# Altium PCB Board.PcbDoc (part 6 of 15) (continued)
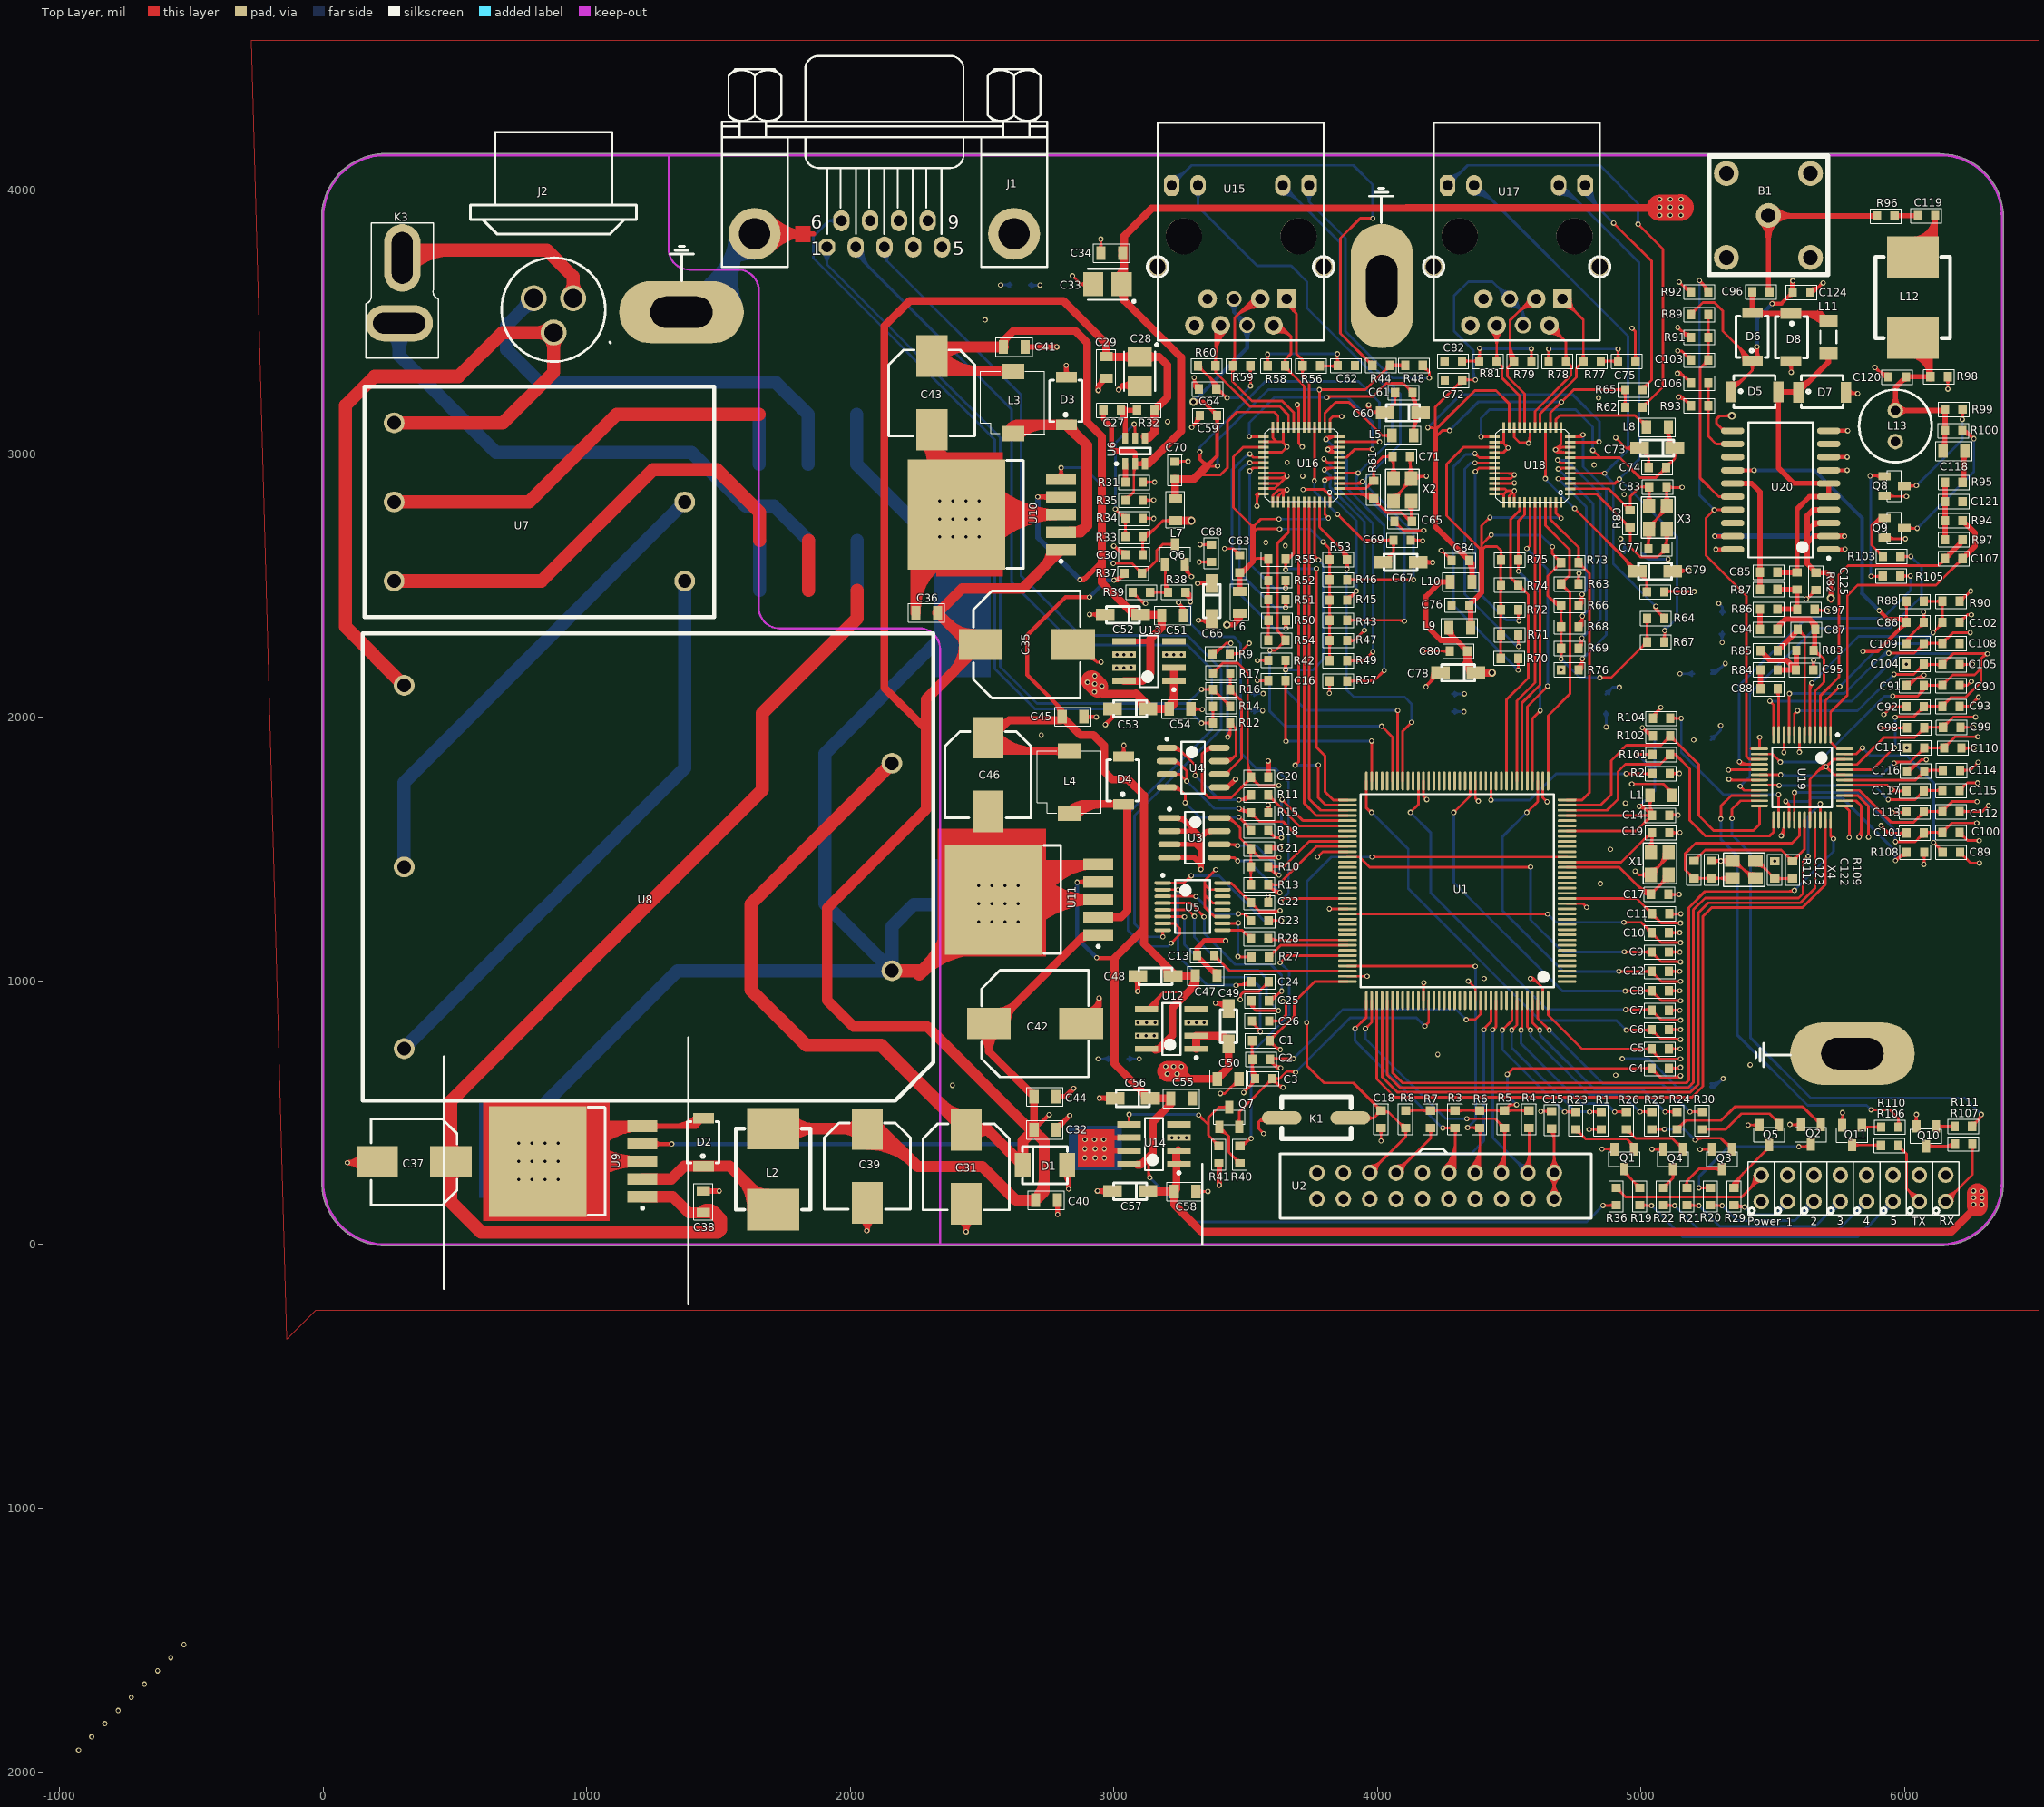
[diagram p0: Top Layer view]
## Nets (pads, with @x,y where several pads share a name; then routed paths per layer and width w, separated by ;. In a path a pad name is that pad's centre, name@x,y a point inside that pad or via, vN(x,y) a via of type N, cw(c..) or ccw(c..) an arc to the next point about the centre after c; other vN are vias at no path point) (continued)
; C91.1@6006.6,2133.17 ccw(c6006.6,2189.13) 6046.17,2149.56 cw(c6006.6,2189.13) C91.1@6006.6,2133.17 ; C116.1@6008.6,1799.17 ccw(c6008.6,1832.28) 6032.01,1808.86 cw(c6008.6,1832.28) C116.1@6008.6,1799.17 ; C116.1@6008.6,1809.17 ccw(c6008.6,1866.42) 6049.09,1825.94 cw(c6008.6,1866.42) C116.1@6008.6,1809.17 ; 6065.16,2151.17 ccw(c6065.16,2164.77) 6076.92,2157.93 cw(c6065.16,2164.77) 6065.16,2151.17
  Top Layer w15: C45.1@2887.6,2001.45 v1(2933.6,2001.45) ; v1(2967.6,1972.45) 2994.68,1999.53 ; C53.1@2994.68,2032.45 2994.68,1999.53 ; v1(5283.6,2637.45) U20.1@5347.43,2637.45 ; U20.1@5711.6,2637.45 5772.6,2637.45 v1(5773.6,2638.45) ; U20.1@5711.6,2937.45 v1(5781.6,2937.45) ; U20.1@5711.6,2987.45 v1(5781.6,2987.45) ; U20.1@5711.6,3087.45 v1(5783.6,3087.45) ; 2994.68,1999.53 cw(c3020.23,1999.53) 3004.56,2019.71 ccw(c3020.23,1999.53) 2994.68,1999.53 ; 2994.68,1999.53 ccw(c2969.13,1999.53) 2984.79,2019.71 cw(c2969.13,1999.53) 2994.68,1999.53 ; C45.1@2893.82,1995.22 cw(c2908.85,1980.2) 2908.85,2001.45 ccw(c2908.85,1980.2) C45.1@2893.82,1995.22 ; C45.1@2893.82,2009.67 ccw(c2913.68,2029.53) 2913.68,2001.45 cw(c2913.68,2029.53) C45.1@2893.82,2009.67
  Top Layer w20: C37.1@205.22,313.45 202.22,310.45 v1(92.6,310.45) ; U9.5@1211.6,449.17 1414.31,449.17 ; D2.1@1416.11,472.72 cw(c1401.5,461.98) 1414.32,449.17 ; C38.1@1442.6,203.45 v1(1502.6,203.45) ; D2.1@1443.6,478.45 1414.31,449.17 ; J1.0@1637.29,3834.45 1860.6,3834.45 ; J1.0@1671.47,3800.27 cw(c1753.98,3717.76) 1753.98,3834.45 cw(c1753.98,3951.14) J1.0@1671.47,3868.63 ; J1.0@1685.61,3786.13 cw(c1802.26,3669.48) 1802.26,3834.45 cw(c1802.26,3999.42) J1.0@1685.61,3882.77 ; J1.0@1699.75,3771.99 cw(c1850.54,3621.19) 1850.54,3834.45 cw(c1850.54,4047.7) J1.0@1699.75,3896.91 ; v1(2062.6,52.45) v1@2064.6,54.45 ; C39.1@2064.6,158.07 v1@2064.6,54.45 ; C31.1@2439.6,155.07 v1(2439.6,48.45) ; C41.1@2663.6,3405.45 v1(2783.6,3405.45) ; C32.1@2779.6,435.45 2832.6,488.45 v1(2832.6,489.45) ; C44.1@2779.6,561.45 2816.6,561.45 v1(2847.6,592.45) ; C40.1@2785.6,168.45 2786.6,167.45 v1(2786.6,114.45) ; D3.1@2819.6,3291.45 v1(2819.6,3335.45) ; D1.1@2822.6,301.45 2828.6,295.45 v1(2828.6,211.45) ; C42.1@2876.04,838.45 2943.6,906.01 ; v1(2937.6,203.45) 2993.68,203.45 C57.1@2994.68,202.45 ; 2943.98,3259.83 ccw(c2917.37,3286.45) C29.1@2955.01,3286.45 ; v1(2944.6,555.45) 3003.68,555.45 C56.1@3004.68,554.45 ; C29.1@2970.6,3286.45 2940.6,3256.45 v1(2940.6,3240.45) ; v1(3017.6,3243.45) 3033.33,3259.18 ; U14.7@3057.62,355.45 2971.6,355.45 v1(2963.6,363.45) ; U14.6@3057.62,405.45 2921.6,405.45 2912.6,396.45 cw(c2920.93,388.12) v1(2926.6,398.45) ; v1(3090.6,960.45) 3090.6,1017.37 C48.1@3090.68,1017.45 ; C28.1@3097.6,3259.18 3033.33,3259.18 ; U3.4@3210.6,1468.45 3304.6,1468.45 3331.6,1441.45 ; U3.3@3210.6,1518.45 3308.6,1518.45 3331.6,1495.45 ; U3.2@3210.6,1568.45 3308.6,1568.45 ; U3.1@3210.6,1618.45 3258.6,1618.45 3308.6,1568.45 ; 3322.1,1554.95 3308.6,1568.45 ; C47.2@3391.28,1019.45 3315.6,1095.13 C13.1@3315.6,1096.45 3315.6,1124.45 3343.6,1152.45 v1(3423.6,1152.45) ; R41.1@3398.6,308.45 3399.6,307.45 v1(3399.6,225.45) ; U3.7@3399.57,1568.45 3354.6,1568.45 3331.6,1545.45 ; U4.5@3400.01,1734.45 3430.6,1734.45 v1(3461.6,1765.45) ; C49.1@3435.6,895.37 3414.52,916.45 v1(3385.6,916.45) ; C22.1@3585.6,1297.62 v1(3585.6,1322.45) ; C21.1@3585.6,1501.78 3589.26,1505.45 v1(3630.6,1505.45) ; R15.1@3585.6,1637.9 v1(3585.6,1667.45) ; v1(3585.6,1834.45) 3585.75,1834.3 C20.2@3585.75,1773.45 ; v1(92.6,310.45) cw(c92.6,242.72) C37.1@146.5,283.74 ; v1(92.6,310.45) ccw(c92.6,370.38) C37.1@143.71,339.07 ; v1(92.6,310.45) cw(c92.6,242.72) C37.1@146.5,283.74 ; v1(92.6,310.45) ccw(c92.6,370.38) C37.1@143.71,339.07 ; v1(92.6,310.45) ccw(c92.6,370.38) C37.1@143.71,339.07 ; v1(92.6,310.45) cw(c92.6,242.72) C37.1@146.5,283.74 ; U9.5@1255.27,440.93 cw(c1275.17,421.03) 1275.17,449.17 ; U9.5@1255.27,440.93 cw(c1275.17,421.03) 1275.17,449.17 ; U9.5@1255.27,440.93 cw(c1275.17,421.03) 1275.17,449.17 ; U9.5@1255.27,457.41 ccw(c1275.17,477.3) 1275.17,449.17 ; U9.5@1255.27,457.41 ccw(c1275.17,477.3) 1275.17,449.17 ; U9.5@1255.27,457.41 ccw(c1275.17,477.3) 1275.17,449.17 ; 1329.84,449.17 ccw(c1329.84,572.53) D2.1@1417.06,485.3 ; 1329.84,449.17 ccw(c1329.84,572.53) D2.1@1417.06,485.3 ; 1329.84,449.17 ccw(c1329.84,572.53) D2.1@1417.06,485.3 ; 1378.12,449.17 ccw(c1378.12,524.24) D2.1@1431.21,471.15 ; 1378.12,449.17 ccw(c1378.12,524.24) D2.1@1431.21,471.15 ; 1378.12,449.17 ccw(c1378.12,524.24) D2.1@1431.21,471.15 ; C38.1@1455.93,197.99 cw(c1469.1,184.82) 1469.1,203.45 ; C38.1@1455.93,197.99 cw(c1469.1,184.82) 1469.1,203.45 ; C38.1@1455.93,197.99 cw(c1469.1,184.82) 1469.1,203.45 ; C38.1@1455.93,208.91 ccw(c1469.1,222.08) 1469.1,203.45 ; C38.1@1455.93,208.91 ccw(c1469.1,222.08) 1469.1,203.45 ; C38.1@1455.93,208.91 ccw(c1469.1,222.08) 1469.1,203.45 ; C39.1@2040.52,95.64 cw(c2017.32,54.45) v1@2064.6,54.45 ; C39.1@2040.52,95.64 cw(c2017.32,54.45) v1@2064.6,54.45 ; C39.1@2040.52,95.64 cw(c2017.32,54.45) v1@2064.6,54.45 ; v1@2064.6,54.45 cw(c2111.88,54.45) C39.1@2088.67,95.64 ; v1@2064.6,54.45 cw(c2111.88,54.45) C39.1@2088.67,95.64 ; v1@2064.6,54.45 cw(c2111.88,54.45) C39.1@2088.67,95.64 ; C31.1@2414.24,93.39 cw(c2387.1,48.45) v1(2439.6,48.45) ; C31.1@2414.24,93.39 cw(c2387.1,48.45) v1(2439.6,48.45) ; C31.1@2414.24,93.39 cw(c2387.1,48.45) v1(2439.6,48.45) ; v1(2439.6,48.45) cw(c2492.1,48.45) C31.1@2464.96,93.39 ; v1(2439.6,48.45) cw(c2492.1,48.45) C31.1@2464.96,93.39 ; v1(2439.6,48.45) cw(c2492.1,48.45) C31.1@2464.96,93.39 ; C41.1@2669.05,3399.99 cw(c2682.23,3386.82) 2682.23,3405.45 ; C41.1@2669.05,3399.99 cw(c2682.23,3386.82) 2682.23,3405.45 ; C41.1@2669.05,3399.99 cw(c2682.23,3386.82) 2682.23,3405.45 ; C41.1@2669.05,3410.91 ccw(c2682.23,3424.08) 2682.23,3405.45 ; C41.1@2669.05,3410.91 ccw(c2682.23,3424.08) 2682.23,3405.45 ; C41.1@2669.05,3410.91 ccw(c2682.23,3424.08) 2682.23,3405.45 ; C32.1@2779.6,451.04 ccw(c2779.6,488.68) 2806.21,462.06 ; C32.1@2779.6,451.04 ccw(c2779.6,488.68) 2806.21,462.06 ; C32.1@2779.6,451.04 ccw(c2779.6,488.68) 2806.21,462.06 ; C40.1@2780.14,155.12 cw(c2764.55,139.53) 2786.6,139.53 ; C40.1@2780.14,155.12 cw(c2764.55,139.53) 2786.6,139.53 ; C40.1@2780.14,155.12 cw(c2764.55,139.53) 2786.6,139.53 ; C44.1@2785.05,555.99 cw(c2798.23,542.82) 2798.23,561.45 ; C44.1@2785.05,555.99 cw(c2798.23,542.82) 2798.23,561.45 ; C44.1@2785.05,555.99 cw(c2798.23,542.82) 2798.23,561.45 ; C44.1@2785.05,566.91 ccw(c2798.23,580.08) 2798.23,561.45 ; C44.1@2785.05,566.91 ccw(c2798.23,580.08) 2798.23,561.45 ; C44.1@2785.05,566.91 ccw(c2798.23,580.08) 2798.23,561.45 ; D1.1@2808.51,272.01 cw(c2760.02,223.52) 2828.6,223.52 ; D1.1@2808.51,272.01 cw(c2760.02,223.52) 2828.6,223.52 ; D1.1@2808.51,272.01 cw(c2760.02,223.52) 2828.6,223.52 ; D3.1@2812.75,3298.3 ccw(c2796.22,3314.83) 2819.6,3314.83 ; D3.1@2812.75,3298.3 ccw(c2796.22,3314.83) 2819.6,3314.83 ; D3.1@2812.75,3298.3 ccw(c2796.22,3314.83) 2819.6,3314.83 ; 2819.6,3314.83 ccw(c2842.98,3314.83) D3.1@2826.45,3298.3 ; 2819.6,3314.83 ccw(c2842.98,3314.83) D3.1@2826.45,3298.3 ; 2819.6,3314.83 ccw(c2842.98,3314.83) D3.1@2826.45,3298.3 ; 2828.6,252.49 cw(c2856.21,252.49) D1.1@2836.68,272.01 ; 2828.6,252.49 cw(c2856.21,252.49) D1.1@2836.68,272.01 ; 2828.6,252.49 cw(c2856.21,252.49) D1.1@2836.68,272.01 ; C42.1@2898.1,887.48 ccw(c2896.61,934.45) v1(2943.6,934.45) ; C42.1@2898.1,887.48 ccw(c2896.61,934.45) v1(2943.6,934.45) ; C42.1@2898.1,887.48 ccw(c2896.61,934.45) v1(2943.6,934.45) ; C42.1@2898.74,867.49 ccw(c2897.26,913.8) 2943.6,913.8 ; C42.1@2898.74,867.49 ccw(c2897.26,913.8) 2943.6,913.8 ; C42.1@2898.74,867.49 ccw(c2897.26,913.8) 2943.6,913.8 ; C42.1@2899.66,887.5 ccw(c2899.66,948.9) 2943.08,905.49 ; C42.1@2899.66,887.5 ccw(c2899.66,948.9) 2943.08,905.49 ; C42.1@2899.66,887.5 ccw(c2899.66,948.9) 2943.08,905.49 ; v1(2926.6,398.45) cw(c2943.5,381.55) 2943.5,405.45 ; v1(2926.6,398.45) ccw(c2925.93,371.12) 2906.6,390.45 cw(c2925.93,371.12) v1(2926.6,398.45) ; v1(2926.6,398.45) cw(c2943.5,381.55) 2943.5,405.45 ; v1(2926.6,398.45) cw(c2943.5,381.55) 2943.5,405.45 ; C42.1@2940.01,866.35 cw(c2965.58,884.03) 2943.6,906.01 ; C42.1@2940.01,866.35 cw(c2965.58,884.03) 2943.6,906.01 ; C42.1@2940.01,866.35 cw(c2965.58,884.03) 2943.6,906.01 ; v1(2940.6,3240.45) cw(c2979.23,3240.45) 2951.91,3267.76 ; v1(2940.6,3240.45) cw(c2979.23,3240.45) 2951.91,3267.76 ; v1(2940.6,3240.45) cw(c2979.23,3240.45) 2951.91,3267.76 ; 2943.6,906.01 v1(2943.6,934.45) ; 2944.7,405.45 cw(c2944.7,381.55) v1(2961.6,398.45) ; 2944.7,405.45 cw(c2944.7,381.55) v1(2961.6,398.45) ; 2944.7,405.45 cw(c2944.7,381.55) v1(2961.6,398.45) ; v1@2947.57,203.45 cw(c2947.57,167.15) C57.1@2973.23,192.82 ; v1@2947.57,203.45 cw(c2947.57,167.15) C57.1@2973.23,192.82 ; v1@2947.57,203.45 cw(c2947.57,167.15) C57.1@2973.23,192.82 ; 2952.39,203.45 ccw(c2952.39,232.92) C57.1@2973.23,212.08 ; 2952.39,203.45 ccw(c2952.39,232.92) C57.1@2973.23,212.08 ; 2952.39,203.45 ccw(c2952.39,232.92) C57.1@2973.23,212.08 ; 2957.57,555.45 cw(c2957.57,519.15) C56.1@2983.23,544.82 ; 2957.57,555.45 cw(c2957.57,519.15) C56.1@2983.23,544.82 ; 2957.57,555.45 cw(c2957.57,519.15) C56.1@2983.23,544.82 ; v1(2961.6,398.45) cw(c2978.5,381.55) 2978.5,405.45 ; v1(2961.6,398.45) cw(c2978.5,381.55) 2978.5,405.45 ; v1(2961.6,398.45) cw(c2978.5,381.55) 2978.5,405.45 ; 2962.39,555.45 ccw(c2962.39,584.92) C56.1@2983.23,564.08 ; 2962.39,555.45 ccw(c2962.39,584.92) C56.1@2983.23,564.08 ; 2962.39,555.45 ccw(c2962.39,584.92) C56.1@2983.23,564.08 ; v1(2963.6,363.45) ccw(c2982.91,382.76) 2982.91,355.45 ; v1(2963.6,363.45) ccw(c2982.91,382.76) 2982.91,355.45 ; v1(2963.6,363.45) ccw(c2982.91,382.76) 2982.91,355.45 ; 3033.33,3259.18 cw(c3033.33,3215.39) C28.1@3068.14,3241.96 ; 3033.33,3259.18 ccw(c3033.33,3302.97) C28.1@3068.14,3276.4 ; 3033.33,3259.18 cw(c3033.33,3215.39) C28.1@3068.14,3241.96 ; 3033.33,3259.18 ccw(c3033.33,3302.97) C28.1@3068.14,3276.4 ; 3033.33,3259.18 ccw(c3033.33,3302.97) C28.1@3068.14,3276.4 ; 3033.33,3259.18 cw(c3033.33,3215.39) C28.1@3068.14,3241.96 ; C48.1@3081.04,1007.82 cw(c3057.98,984.75) 3090.6,984.75 ; C48.1@3081.04,1007.82 cw(c3057.98,984.75) 3090.6,984.75 ; C48.1@3081.04,1007.82 cw(c3057.98,984.75) 3090.6,984.75 ; 3090.6,984.37 cw(c3123.75,984.37) C48.1@3100.31,1007.82 ; 3090.6,984.37 cw(c3123.75,984.37) C48.1@3100.31,1007.82 ; 3090.6,984.37 cw(c3123.75,984.37) C48.1@3100.31,1007.82 ; U3.1@3242.09,1616.64 cw(c3242.09,1572.42) 3273.36,1603.69 ; U3.1@3242.09,1616.64 cw(c3242.09,1572.42) 3273.36,1603.69 ; U3.1@3242.09,1616.64 cw(c3242.09,1572.42) 3273.36,1603.69 ; 3308.6,1568.45 3331.6,1545.45 ; 3315.46,1457.59 cw(c3281.31,1423.45) v1(3329.6,1423.45) ; 3315.46,1457.59 cw(c3281.31,1423.45) v1(3329.6,1423.45) ; 3315.46,1457.59 cw(c3281.31,1423.45) v1(3329.6,1423.45) ; v1(3329.6,1423.45) 3331.6,1425.45 3331.6,1441.45 ; 3331.6,1441.45 3331.6,1495.45 ; 3331.6,1495.45 3331.6,1545.45 ; 3341.97,1555.83 cw(c3368.08,1529.72) U3.7@3368.08,1566.64 ; 3341.97,1555.83 cw(c3368.08,1529.72) U3.7@3368.08,1566.64 ; 3341.97,1555.83 cw(c3368.08,1529.72) U3.7@3368.08,1566.64 ; 3364.66,1046.06 ccw(c3391.28,1072.68) C47.2@3391.28,1035.04 ; 3364.66,1046.06 ccw(c3391.28,1072.68) C47.2@3391.28,1035.04 ; 3364.66,1046.06 ccw(c3391.28,1072.68) C47.2@3391.28,1035.04 ; v1(3385.6,916.45) cw(c3385.6,864.02) C49.1@3425.29,898.28 ; v1(3385.6,916.45) cw(c3385.6,864.02) C49.1@3425.29,898.28 ; v1(3385.6,916.45) cw(c3385.6,864.02) C49.1@3425.29,898.28 ; 3399.6,292.23 cw(c3416.78,292.23) R41.1@3404.63,304.38 ; 3399.6,292.23 cw(c3416.78,292.23) R41.1@3404.63,304.38 ; 3399.6,292.23 cw(c3416.78,292.23) R41.1@3404.63,304.38 ; C21.1@3589.66,1499.69 cw(c3603.57,1485.78) 3603.57,1505.45 ; C21.1@3589.66,1499.69 cw(c3603.57,1485.78) 3603.57,1505.45 ; C21.1@3589.66,1499.69 cw(c3603.57,1485.78) 3603.57,1505.45 ; 2944.54,3260.39 ccw(c2919.24,3285.68) 2955.01,3286.31 cw(c2919.24,3285.68) 2944.54,3260.39 ; U3.1@3242.56,1616.7 cw(c3249.08,1592.43) 3266.85,1610.2 ccw(c3249.08,1592.43) U3.1@3242.56,1616.7 ; 3347.86,1561.71 cw(c3361.92,1547.65) 3367.56,1566.71 ccw(c3361.92,1547.65) 3347.86,1561.71
  Top Layer w30: U11.6@2543.9,1308.31 U11.6@2677.76,1442.17
  Top Layer w35: U11.6@2543.9,1308.31 U11.3@2940.6,1308.31 ; U11.6@2677.76,1442.17 U11.5@2940.6,1442.17 ; U11.6@2531.3,1298.25 cw(c2555.57,1273.98) U11.6@2555.57,1308.31 ; U11.6@2531.3,1298.25 cw(c2555.57,1273.98) U11.6@2555.57,1308.31 ; U11.6@2531.3,1298.25 cw(c2555.57,1273.98) U11.6@2555.57,1308.31 ; U11.6@2567.63,1308.31 cw(c2567.63,1273.98) U11.6@2591.9,1298.25 ; U11.6@2567.63,1308.31 cw(c2567.63,1273.98) U11.6@2591.9,1298.25 ; U11.6@2567.63,1308.31 cw(c2567.63,1273.98) U11.6@2591.9,1298.25 ; U11.6@2569.74,1323.41 cw(c2739.94,1260.83) 2739.94,1442.17 ; U11.6@2569.74,1323.41 cw(c2739.94,1260.83) 2739.94,1442.17 ; U11.6@2569.74,1323.41 cw(c2739.94,1260.83) 2739.94,1442.17 ; U11.6@2581.3,1298.25 cw(c2605.57,1273.98) U11.6@2605.57,1308.31 ; U11.6@2581.3,1298.25 cw(c2605.57,1273.98) U11.6@2605.57,1308.31 ; U11.6@2581.3,1298.25 cw(c2605.57,1273.98) U11.6@2605.57,1308.31 ; U11.6@2602.59,1311.33 cw(c2790.1,1242.38) 2790.1,1442.17 ; U11.6@2602.59,1311.33 cw(c2790.1,1242.38) 2790.1,1442.17 ; U11.6@2602.59,1311.33 cw(c2790.1,1242.38) 2790.1,1442.17 ; U11.6@2613.82,1240.3 cw(c2774.84,1083.68) 2774.84,1308.31 ; U11.6@2613.82,1240.3 cw(c2774.84,1083.68) 2774.84,1308.31 ; U11.6@2613.82,1240.3 cw(c2774.84,1083.68) 2774.84,1308.31 ; U11.6@2613.82,1376.32 ccw(c2774.84,1532.93) 2774.84,1308.31 ; U11.6@2613.82,1376.32 ccw(c2774.84,1532.93) 2774.84,1308.31 ; U11.6@2613.82,1376.32 ccw(c2774.84,1532.93) 2774.84,1308.31 ; U11.6@2617.63,1308.31 cw(c2617.63,1273.98) U11.6@2641.9,1298.25 ; U11.6@2617.63,1308.31 cw(c2617.63,1273.98) U11.6@2641.9,1298.25 ; U11.6@2617.63,1308.31 cw(c2617.63,1273.98) U11.6@2641.9,1298.25 ; U11.6@2631.3,1298.25 cw(c2655.57,1273.98) U11.6@2655.57,1308.31 ; U11.6@2631.3,1298.25 cw(c2655.57,1273.98) U11.6@2655.57,1308.31 ; U11.6@2631.3,1298.25 cw(c2655.57,1273.98) U11.6@2655.57,1308.31 ; U11.6@2635.44,1299.25 cw(c2840.27,1223.94) 2840.27,1442.17 ; U11.6@2635.44,1299.25 cw(c2840.27,1223.94) 2840.27,1442.17 ; U11.6@2635.44,1299.25 cw(c2840.27,1223.94) 2840.27,1442.17 ; U11.6@2638.91,1215.9 cw(c2857.71,1003.08) 2857.71,1308.31 ; U11.6@2638.91,1215.9 cw(c2857.71,1003.08) 2857.71,1308.31 ; U11.6@2638.91,1215.9 cw(c2857.71,1003.08) 2857.71,1308.31 ; U11.6@2638.91,1400.72 ccw(c2857.71,1613.54) 2857.71,1308.31 ; U11.6@2638.91,1400.72 ccw(c2857.71,1613.54) 2857.71,1308.31 ; U11.6@2638.91,1400.72 ccw(c2857.71,1613.54) 2857.71,1308.31 ; U11.6@2664,1191.49 cw(c2940.58,922.47) U11.3@2940.6,1308.31 ; U11.6@2664,1191.49 cw(c2940.58,922.47) U11.3@2940.6,1308.31 ; U11.6@2664,1191.49 cw(c2940.58,922.47) U11.3@2940.6,1308.31 ; U11.6@2664,1425.12 ccw(c2940.58,1694.14) U11.3@2940.6,1308.31 ; U11.6@2664,1425.12 ccw(c2940.58,1694.14) U11.3@2940.6,1308.31 ; U11.6@2664,1425.12 ccw(c2940.58,1694.14) U11.3@2940.6,1308.31 ; U11.6@2668.29,1287.17 cw(c2890.43,1205.49) U11.5@2890.43,1442.17 ; U11.6@2668.29,1287.17 cw(c2890.43,1205.49) U11.5@2890.43,1442.17 ; U11.6@2668.29,1287.17 cw(c2890.43,1205.49) U11.5@2890.43,1442.17 ; U11.6@2701.14,1275.09 cw(c2940.59,1187.05) U11.5@2940.6,1442.17 ; U11.6@2701.14,1275.09 cw(c2940.59,1187.05) U11.5@2940.6,1442.17 ; U11.6@2701.14,1275.09 cw(c2940.59,1187.05) U11.5@2940.6,1442.17
  Top Layer w40: U9.6@841.97,325.94 ccw(c840.63,289.57) U9.6@814.9,315.31 ; C36.1@2248.6,2396.45 2248.6,2615.01 U10.6@2402.9,2769.31 ; C43.1@2293.96,3035.45 ccw(c2451.09,3077.55) U10.6@2423.84,2917.19 ; U10.6@2294.61,2856.43 ccw(c2159.46,2934.46) U10.6@2310.2,2974.85 ; U10.6@2310.1,2975.22 ccw(c2439.6,3009.92) U10.6@2417.14,2877.75 ; U10.6@2334.41,2675.37 ccw(c2338.67,2684.59) U10.6@2342.18,2675.06 ; U10.6@2345.64,2676.44 ccw(c2336.65,2684.32) U10.6@2348.58,2685.11 ; U10.6@2378.6,2821.45 ccw(c2445.82,2821.45) U10.6@2398.29,2773.92 ; U10.6@2381.06,2692.04 cw(c2388.31,2682.41) U10.6@2389.99,2694.35 ; U10.6@2479.2,2814.95 ccw(c2488.39,2825.22) U10.6@2489.15,2811.46 ; U10.6@2479.48,2817.35 ccw(c2489.45,2821.83) U10.6@2485.57,2811.61 ; U9.6@791.29,305.95 ccw(c792.28,337.92) U9.6@814.9,315.31 ; U9.6@791.29,305.95 ccw(c792.28,337.92) U9.6@814.9,315.31 ; U9.6@791.29,305.95 ccw(c792.28,337.92) U9.6@814.9,315.31 ; U9.6@791.6,305.95 ccw(c791.6,339.6) U9.6@815.4,315.81 ; U9.6@791.6,305.95 ccw(c791.6,339.6) U9.6@815.4,315.81 ; U9.6@791.6,305.95 ccw(c791.6,339.6) U9.6@815.4,315.81 ; U9.6@814.9,315.31 948.76,449.17 U9.5@1211.6,449.17 ; U9.6@814.9,315.31 U9.3@1211.6,315.31 ; U9.6@819.61,338.13 cw(c980.19,277.53) U9.6@980.19,449.17 ; U9.6@819.61,338.13 cw(c980.19,277.53) U9.6@980.19,449.17 ; U9.6@819.61,338.13 cw(c980.19,277.53) U9.6@980.19,449.17 ; U9.6@831.6,315.95 cw(c870.37,315.95) U9.6@842.95,343.36 ; U9.6@831.6,315.95 cw(c870.37,315.95) U9.6@842.95,343.36 ; U9.6@831.6,315.95 cw(c870.37,315.95) U9.6@842.95,343.36 ; U9.6@857.04,324.01 cw(c1038.04,255.7) 1038.04,449.17 ; U9.6@857.04,324.01 cw(c1038.04,255.7) 1038.04,449.17 ; U9.6@857.04,324.01 cw(c1038.04,255.7) 1038.04,449.17 ; U9.6@875.22,255.36 cw(c1019.29,112.19) 1019.29,315.31 ; U9.6@875.22,255.36 cw(c1019.29,112.19) 1019.29,315.31 ; U9.6@875.22,255.36 cw(c1019.29,112.19) 1019.29,315.31 ; U9.6@875.22,375.25 ccw(c1019.29,518.42) 1019.29,315.31 ; U9.6@875.22,375.25 ccw(c1019.29,518.42) 1019.29,315.31 ; U9.6@875.22,375.25 ccw(c1019.29,518.42) 1019.29,315.31 ; U9.6@894.46,309.89 cw(c1095.89,233.87) 1095.89,449.17 ; U9.6@894.46,309.89 cw(c1095.89,233.87) 1095.89,449.17 ; U9.6@894.46,309.89 cw(c1095.89,233.87) 1095.89,449.17 ; U9.6@903.59,227.17 cw(c1115.43,16.65) 1115.43,315.31 ; U9.6@903.59,227.17 cw(c1115.43,16.65) 1115.43,315.31 ; U9.6@903.59,227.17 cw(c1115.43,16.65) 1115.43,315.31 ; U9.6@903.59,403.45 ccw(c1115.43,613.96) 1115.43,315.31 ; U9.6@903.59,403.45 ccw(c1115.43,613.96) 1115.43,315.31 ; U9.6@903.59,403.45 ccw(c1115.43,613.96) 1115.43,315.31 ; U9.6@931.88,295.76 cw(c1153.74,212.04) 1153.74,449.17 ; U9.6@931.88,295.76 cw(c1153.74,212.04) 1153.74,449.17 ; U9.6@931.88,295.76 cw(c1153.74,212.04) 1153.74,449.17 ; U9.6@931.96,198.97 cw(c1211.57,-78.88) U9.3@1211.6,315.31 ; U9.6@931.96,198.97 cw(c1211.57,-78.88) U9.3@1211.6,315.31 ; U9.6@931.96,198.97 cw(c1211.57,-78.88) U9.3@1211.6,315.31 ; U9.6@931.96,431.64 ccw(c1211.57,709.5) U9.3@1211.6,315.31 ; U9.6@931.96,431.64 ccw(c1211.57,709.5) U9.3@1211.6,315.31 ; U9.6@931.96,431.64 ccw(c1211.57,709.5) U9.3@1211.6,315.31 ; U9.6@969.31,281.64 cw(c1211.59,190.21) U9.5@1211.6,449.17 ; U9.6@969.31,281.64 cw(c1211.59,190.21) U9.5@1211.6,449.17 ; U9.6@969.31,281.64 cw(c1211.59,190.21) U9.5@1211.6,449.17 ; C36.1@2248.6,2411.52 cw(c2461.93,2411.52) U10.6@2424.71,2621.58 ; C36.1@2248.6,2411.52 cw(c2461.93,2411.52) U10.6@2424.71,2621.58 ; C36.1@2248.6,2411.52 cw(c2461.93,2411.52) U10.6@2424.71,2621.58 ; 2248.6,2459.23 cw(c2453.48,2459.23) U10.6@2417.73,2660.97 ; 2248.6,2459.23 cw(c2453.48,2459.23) U10.6@2417.73,2660.97 ; 2248.6,2459.23 cw(c2453.48,2459.23) U10.6@2417.73,2660.97 ; 2248.6,2506.94 cw(c2445.02,2506.94) U10.6@2410.75,2700.35 ; 2248.6,2506.94 cw(c2445.02,2506.94) U10.6@2410.75,2700.35 ; 2248.6,2506.94 cw(c2445.02,2506.94) U10.6@2410.75,2700.35 ; 2248.6,2554.65 cw(c2436.57,2554.65) U10.6@2403.78,2739.74 ; 2248.6,2554.65 cw(c2436.57,2554.65) U10.6@2403.78,2739.74 ; 2248.6,2554.65 cw(c2436.57,2554.65) U10.6@2403.78,2739.74 ; U10.6@2248.6,2602.36 cw(c2428.12,2602.36) U10.6@2396.8,2779.13 ; U10.6@2248.6,2602.36 cw(c2428.12,2602.36) U10.6@2396.8,2779.13 ; U10.6@2248.6,2602.36 cw(c2428.12,2602.36) U10.6@2396.8,2779.13 ; C43.1@2281.98,3043.77 cw(c2215.31,2977.1) U10.6@2309.6,2977.1 ; C43.1@2281.98,3043.77 cw(c2215.31,2977.1) U10.6@2309.6,2977.1 ; C43.1@2281.98,3043.77 cw(c2215.31,2977.1) U10.6@2309.6,2977.1 ; U10.6@2286.2,2910.61 ccw(c2229.7,2967.11) U10.6@2309.6,2967.11 ; U10.6@2286.2,2910.61 ccw(c2229.7,2967.11) U10.6@2309.6,2967.11 ; U10.6@2286.2,2910.61 ccw(c2229.7,2967.11) U10.6@2309.6,2967.11 ; U10.6@2309.6,2977.1 cw(c2403.89,2977.1) C43.1@2337.21,3043.77 ; U10.6@2309.6,2977.1 cw(c2403.89,2977.1) C43.1@2337.21,3043.77 ; U10.6@2309.6,2977.1 cw(c2403.89,2977.1) C43.1@2337.21,3043.77 ; 2309.6,2999.04 ccw(c2431.7,2999.04) U10.6@2414.72,2878.13 ; 2309.6,2999.04 ccw(c2431.7,2999.04) U10.6@2414.72,2878.13 ; 2309.6,2999.04 ccw(c2431.7,2999.04) U10.6@2414.72,2878.13 ; C43.1@2309.6,3045.05 ccw(c2438.16,3045.05) U10.6@2420.28,2917.74 ; C43.1@2309.6,3045.05 ccw(c2438.16,3045.05) U10.6@2420.28,2917.74 ; C43.1@2309.6,3045.05 ccw(c2438.16,3045.05) U10.6@2420.28,2917.74 ; C43.1@2309.6,3091.07 ccw(c2444.62,3091.06) U10.6@2425.85,2957.35 ; C43.1@2309.6,3091.07 ccw(c2444.62,3091.06) U10.6@2425.85,2957.35 ; C43.1@2309.6,3091.07 ccw(c2444.62,3091.06) U10.6@2425.85,2957.35 ; C43.1@2309.6,3091.07 2309.6,2862.61 U10.6@2402.9,2769.31 ; U10.6@2320.57,2686.98 cw(c2338.6,2668.96) U10.6@2338.6,2694.45 ; U10.6@2320.57,2686.98 cw(c2338.6,2668.96) U10.6@2338.6,2694.45 ; U10.6@2320.57,2686.98 cw(c2338.6,2668.96) U10.6@2338.6,2694.45 ; U10.6@2328.6,2684.45 cw(c2354.09,2684.45) U10.6@2336.06,2702.47 ; U10.6@2328.6,2684.45 cw(c2354.09,2684.45) U10.6@2336.06,2702.47 ; U10.6@2328.6,2684.45 cw(c2354.09,2684.45) U10.6@2336.06,2702.47 ; U10.6@2341.07,2831.14 ccw(c2388.6,2878.67) U10.6@2388.6,2811.45 ; U10.6@2341.07,2831.14 ccw(c2388.6,2878.67) U10.6@2388.6,2811.45 ; U10.6@2341.07,2831.14 ccw(c2388.6,2878.67) U10.6@2388.6,2811.45 ; U10.6@2381.17,2759.65 cw(c2402.9,2740.05) U10.6@2402.9,2769.31 ; U10.6@2381.17,2759.65 cw(c2402.9,2740.05) U10.6@2402.9,2769.31 ; U10.6@2381.17,2759.65 cw(c2402.9,2740.05) U10.6@2402.9,2769.31 ; U10.6@2381.53,2760.02 cw(c2403.95,2737.6) U10.6@2403.95,2769.31 ; U10.6@2381.53,2760.02 cw(c2403.95,2737.6) U10.6@2403.95,2769.31 ; U10.6@2381.53,2760.02 cw(c2403.95,2737.6) U10.6@2403.95,2769.31 ; U10.6@2383.99,2788.21 cw(c2348.73,2752.95) U10.6@2398.6,2752.95 ; U10.6@2383.99,2788.21 cw(c2348.73,2752.95) U10.6@2398.6,2752.95 ; U10.6@2383.99,2788.21 cw(c2348.73,2752.95) U10.6@2398.6,2752.95 ; U10.6@2402.9,2769.31 U10.3@2799.6,2769.31 ; U10.6@2423.25,2769.31 cw(c2423.25,2737.6) U10.6@2445.67,2760.02 ; U10.6@2423.25,2769.31 cw(c2423.25,2737.6) U10.6@2445.67,2760.02 ; U10.6@2423.25,2769.31 cw(c2423.25,2737.6) U10.6@2445.67,2760.02 ; U10.6@2431.53,2760.02 cw(c2453.95,2737.6) U10.6@2453.95,2769.31 ; U10.6@2431.53,2760.02 cw(c2453.95,2737.6) U10.6@2453.95,2769.31 ; U10.6@2431.53,2760.02 cw(c2453.95,2737.6) U10.6@2453.95,2769.31 ; U10.6@2463.22,2709.36 cw(c2607.29,2566.19) 2607.29,2769.31 ; U10.6@2463.22,2709.36 cw(c2607.29,2566.19) 2607.29,2769.31 ; U10.6@2463.22,2709.36 cw(c2607.29,2566.19) 2607.29,2769.31 ; U10.6@2463.22,2829.25 ccw(c2607.29,2972.42) 2607.29,2769.31 ; U10.6@2463.22,2829.25 ccw(c2607.29,2972.42) 2607.29,2769.31 ; U10.6@2463.22,2829.25 ccw(c2607.29,2972.42) 2607.29,2769.31 ; U10.6@2473.25,2769.31 cw(c2473.25,2737.6) U10.6@2495.67,2760.02 ; U10.6@2473.25,2769.31 cw(c2473.25,2737.6) U10.6@2495.67,2760.02 ; U10.6@2473.25,2769.31 cw(c2473.25,2737.6) U10.6@2495.67,2760.02 ; U10.6@2481.53,2760.02 cw(c2503.95,2737.6) U10.6@2503.95,2769.31 ; U10.6@2481.53,2760.02 cw(c2503.95,2737.6) U10.6@2503.95,2769.31 ; U10.6@2481.53,2760.02 cw(c2503.95,2737.6) U10.6@2503.95,2769.31 ; U10.6@2491.59,2681.17 cw(c2703.43,2470.65) 2703.43,2769.31 ; U10.6@2491.59,2681.17 cw(c2703.43,2470.65) 2703.43,2769.31 ; U10.6@2491.59,2681.17 cw(c2703.43,2470.65) 2703.43,2769.31 ; U10.6@2491.59,2857.45 ccw(c2703.43,3067.96) 2703.43,2769.31 ; U10.6@2491.59,2857.45 ccw(c2703.43,3067.96) 2703.43,2769.31 ; U10.6@2491.59,2857.45 ccw(c2703.43,3067.96) 2703.43,2769.31 ; U10.6@2519.96,2652.97 cw(c2799.57,2375.12) U10.3@2799.6,2769.31 ; U10.6@2519.96,2652.97 cw(c2799.57,2375.12) U10.3@2799.6,2769.31 ; U10.6@2519.96,2652.97 cw(c2799.57,2375.12) U10.3@2799.6,2769.31 ; U10.6@2519.96,2885.64 ccw(c2799.57,3163.5) U10.3@2799.6,2769.31 ; U10.6@2519.96,2885.64 ccw(c2799.57,3163.5) U10.3@2799.6,2769.31 ; U10.6@2519.96,2885.64 ccw(c2799.57,3163.5) U10.3@2799.6,2769.31 ; U9.6@814.18,314.59 cw(c841.6,287.18) 841.6,325.95 ccw(c841.6,287.18) U9.6@814.18,314.59 ; U10.6@2380.34,2827.08 ccw(c2405.6,2809.85) 2383.98,2788.23 cw(c2405.6,2809.85) U10.6@2380.34,2827.08
  Top Layer w50: U8.8@2157.99,1038.75 2274.34,1038.75 ; 2346.84,1111.25 cw(c2503.48,954.61) U11.6@2530.49,1174.48 ; U11.6@2524.39,1124.85 ccw(c2487.63,825.49) 2274.35,1038.76 ; 2274.34,1038.75 U11.6@2543.9,1308.31 2522.6,1329.61 C46.1@2522.6,1643.07 ; 2288.09,1052.5 ccw(c2056.89,1283.7) U11.6@2383.86,1283.7 ; 2288.09,1052.5 ccw(c2056.89,1283.7) U11.6@2383.86,1283.7 ; 2288.09,1052.5 ccw(c2056.89,1283.7) U11.6@2383.86,1283.7 ; U11.6@2373.45,1137.86 ccw(c2227.6,1283.7) U11.6@2433.86,1283.7 ; U11.6@2373.45,1137.86 ccw(c2227.6,1283.7) U11.6@2433.86,1283.7 ; U11.6@2373.45,1137.86 ccw(c2227.6,1283.7) U11.6@2433.86,1283.7 ; U11.6@2437.23,1452.22 ccw(c2266.62,1643.06) C46.1@2522.6,1643.07 ; U11.6@2437.23,1452.22 ccw(c2266.62,1643.06) C46.1@2522.6,1643.07 ; U11.6@2437.23,1452.22 ccw(c2266.62,1643.06) C46.1@2522.6,1643.07 ; U11.6@2470.56,1414.95 ccw(c2366.55,1531.29) 2522.6,1531.29 ; U11.6@2470.56,1414.95 ccw(c2366.55,1531.29) 2522.6,1531.29 ; U11.6@2470.56,1414.95 ccw(c2366.55,1531.29) 2522.6,1531.29 ; C46.1@2498.52,1599.31 cw(c2440.38,1541.17) 2522.6,1541.17 ; C46.1@2498.52,1599.31 cw(c2440.38,1541.17) 2522.6,1541.17 ; C46.1@2498.52,1599.31 cw(c2440.38,1541.17) 2522.6,1541.17 ; 2522.6,1541.17 cw(c2604.81,1541.17) C46.1@2546.68,1599.31 ; 2522.6,1541.17 cw(c2604.81,1541.17) C46.1@2546.68,1599.31 ; 2522.6,1541.17 cw(c2604.81,1541.17) C46.1@2546.68,1599.31 ; 2522.6,1557.54 ccw(c2670.32,1557.54) U11.6@2597.87,1428.81 ; 2522.6,1557.54 ccw(c2670.32,1557.54) U11.6@2597.87,1428.81 ; 2522.6,1557.54 ccw(c2670.32,1557.54) U11.6@2597.87,1428.81 ; C46.1@2522.6,1643.07 ccw(c2718.45,1643.06) U11.6@2622.39,1472.38 ; C46.1@2522.6,1643.07 ccw(c2718.45,1643.06) U11.6@2622.39,1472.38 ; C46.1@2522.6,1643.07 ccw(c2718.45,1643.06) U11.6@2622.39,1472.38 ; 2262.05,1026.46 cw(c2501.15,787.35) 2530.17,1124.25 ccw(c2501.15,787.35) 2262.05,1026.46 ; 2338,1102.41 cw(c2513.2,927.22) 2534.46,1174.07 ccw(c2513.2,927.22) 2338,1102.41 ; U11.6@2522.6,1359.03 ccw(c2534.18,1359.03) 2525.99,1350.84 cw(c2534.18,1359.03) U11.6@2522.6,1359.03 ; U11.6@2522.6,1363.86 cw(c2534.18,1363.86) 2525.99,1372.06 ccw(c2534.18,1363.86) U11.6@2522.6,1363.86
  Bottom Layer w20: pad.0@1359.6,3537.45 1359.6,3556.76 J1.0@1637.29,3834.45 ccw(c1812.92,3658.8) pad.0@1579.36,3574.25 ; pad.0@1428.92,3519.79 cw(c1551.65,3564.22) 1459.35,3656.51 ; pad.0@1447.72,3526.59 cw(c1584.31,3576.04) 1481.59,3678.75 ; pad.0@1466.53,3533.4 cw(c1616.97,3587.86) 1503.84,3700.99 ; pad.0@1485.33,3540.21 cw(c1649.63,3599.69) 1526.08,3723.24 ; pad.0@1504.14,3547.02 cw(c1682.29,3611.51) 1548.32,3745.48 ; pad.0@1522.95,3553.83 cw(c1714.94,3623.33) J1.0@1570.56,3767.72 ; pad.0@1541.75,3560.63 cw(c1747.6,3635.15) J1.0@1592.8,3789.96 ; J1.0@1548.96,3834.45 cw(c1335.7,3834.45) 1486.5,3683.65 cw(c1637.29,3532.86) J1.0@1637.29,3746.12 ; pad.0@1560.56,3567.44 cw(c1780.26,3646.98) J1.0@1615.04,3812.2 ; J1.0@1568.96,3834.45 cw(c1403.99,3834.45) 1520.64,3717.8 cw(c1637.29,3601.15) J1.0@1637.29,3766.12 ; J1.0@1588.96,3834.45 cw(c1472.27,3834.45) 1554.78,3751.94 cw(c1637.29,3669.43) J1.0@1637.29,3786.12
  Bottom Layer w50: 845.6,372.45 845.6,539.45 1344.9,1038.75 U8.8@2157.99,1038.75 ; 2024.68,3149.45 2024.68,2960.47 2232.2,2752.95 v1(2338.6,2752.95) v1(2388.6,2752.95) ; 2410.6,2679.45 2410.6,2369.45 1903.6,1862.45 1903.6,1293.14 U8.8@2157.99,1038.75 ; 2460.6,1295.45 2455.6,1290.45 2241.6,1290.45 2157.99,1206.84 U8.8@2157.99,1038.75 ; 2399.21,2695.06 cw(c2371.7,2667.55) 2410.6,2667.55 ; 2399.21,2695.06 cw(c2371.7,2667.55) 2410.6,2667.55 ; 2399.21,2695.06 cw(c2371.7,2667.55) 2410.6,2667.55 ; 2399.21,2695.06 cw(c2371.7,2667.55) 2410.6,2667.55 ; 2410.6,2653.06 cw(c2469.98,2653.06) 2427.99,2695.06 ccw(c2469.98,2653.06) 2410.6,2653.06 ; 2410.6,2656.01 cw(c2463.21,2656.01) 2428.78,2695.79 ccw(c2463.21,2656.01) 2410.6,2656.01